# Altium PCB 移动无线控制.PcbDoc (part 2 of 4) (continued)
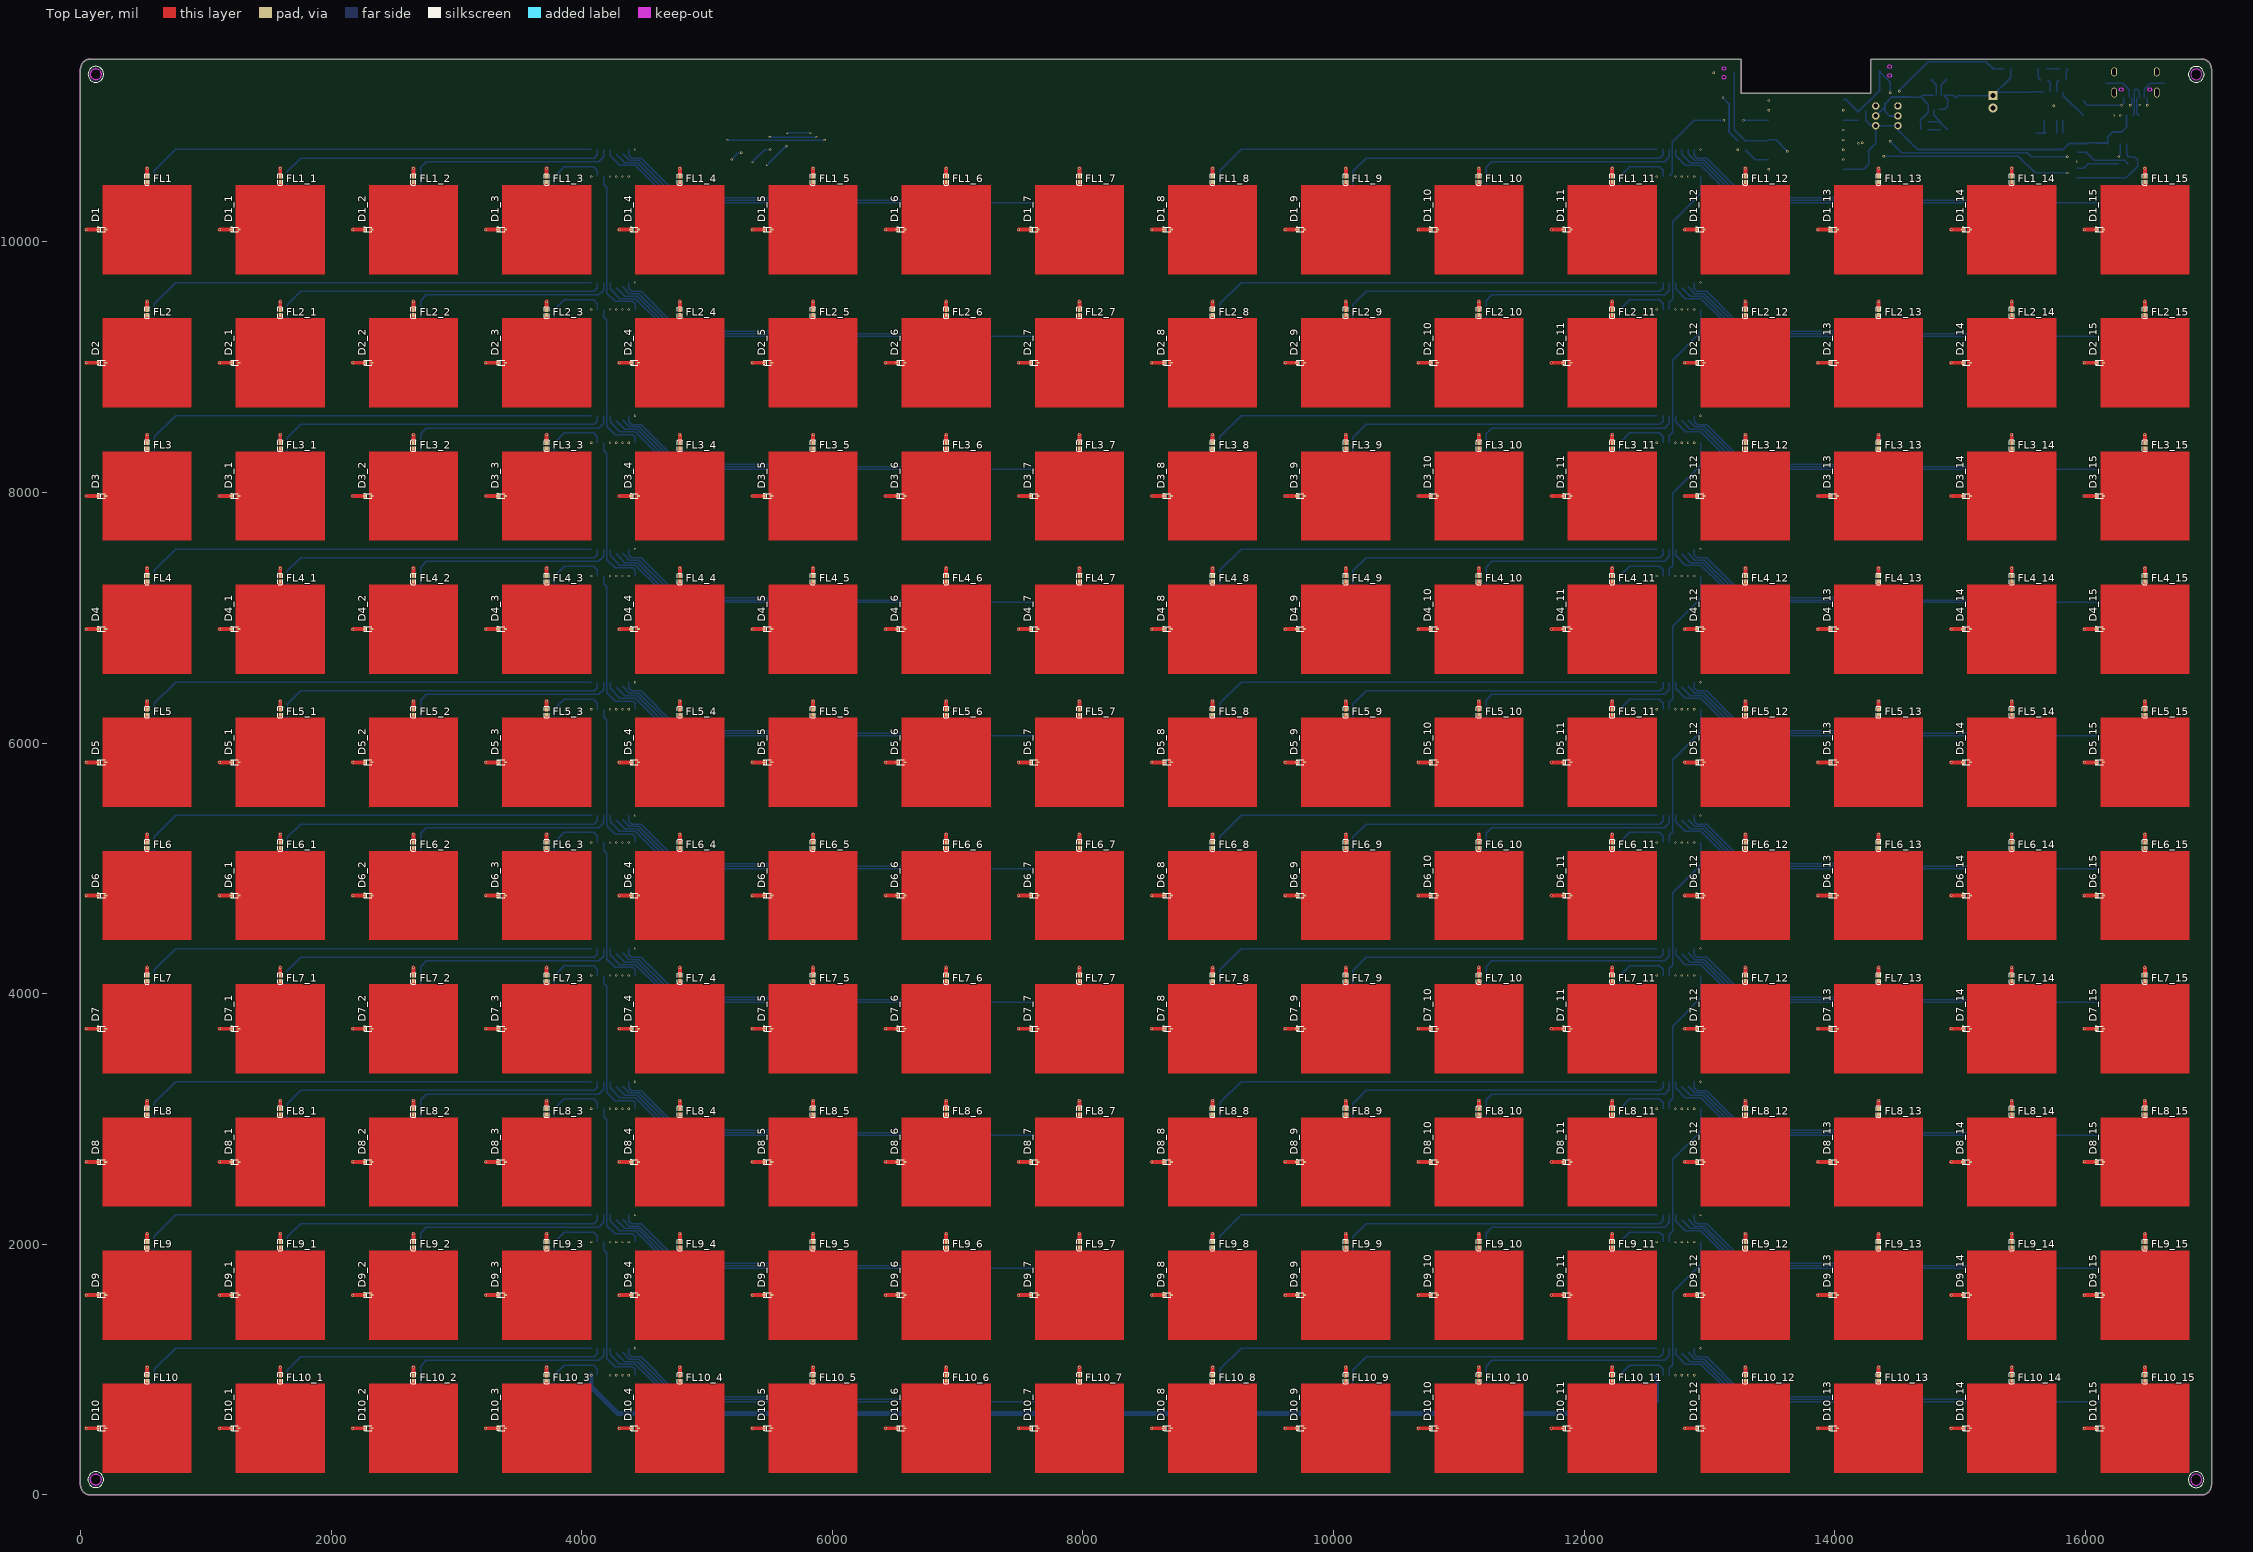
[diagram p0: Top Layer view]
## Nets (pads, with @x,y where several pads share a name; then routed paths per layer and width w, separated by ;. In a path a pad name is that pad's centre, name@x,y a point inside that pad or via, vN(x,y) a via of type N, cw(c..) or ccw(c..) an arc to the next point about the centre after c; other vN are vias at no path point) (continued)
NewNet28: D2_1.2 FL2_1.2
NewNet29: BL10_1.2 FL10_1.1
  other v1: 1594.49,1019.68
NewNet30: BL9_1.2 FL9_1.1
  other v1: 1594.49,2082.68
NewNet31: BL8_1.2 FL8_1.1
  other v1: 1594.49,3145.67
NewNet32: BL7_1.2 FL7_1.1
  other v1: 1594.49,4208.66
NewNet33: BL6_1.2 FL6_1.1
  other v1: 1594.49,5271.65
NewNet34: BL5_1.2 FL5_1.1
  other v1: 1594.49,6334.65
NewNet35: BL4_1.2 FL4_1.1
  other v1: 1594.49,7397.64
NewNet36: BL3_1.2 FL3_1.1
  other v1: 1594.49,8460.63
NewNet37: BL2_1.2 FL2_1.1
  other v1: 1594.49,9523.62
NewNet38: D1_1.2 FL1_1.2
NewNet39: BL1_1.2 FL1_1.1
  other v1: 1594.49,10586.61
NewNet40: D10_2.2 FL10_2.2
NewNet41: D9_2.2 FL9_2.2
NewNet42: D8_2.2 FL8_2.2
NewNet43: D7_2.2 FL7_2.2
NewNet44: D6_2.2 FL6_2.2
NewNet45: D5_2.2 FL5_2.2
NewNet46: D4_2.2 FL4_2.2
NewNet47: D3_2.2 FL3_2.2
NewNet48: D2_2.2 FL2_2.2
NewNet49: BL10_2.2 FL10_2.1
  other v1: 2657.48,1019.68
NewNet50: BL9_2.2 FL9_2.1
  other v1: 2657.48,2082.68
NewNet51: BL8_2.2 FL8_2.1
  other v1: 2657.48,3145.67
NewNet52: BL7_2.2 FL7_2.1
  other v1: 2657.48,4208.66
NewNet53: BL6_2.2 FL6_2.1
  other v1: 2657.48,5271.65
NewNet54: BL5_2.2 FL5_2.1
  other v1: 2657.48,6334.65
NewNet55: BL4_2.2 FL4_2.1
  other v1: 2657.48,7397.64
NewNet56: BL3_2.2 FL3_2.1
  other v1: 2657.48,8460.63
NewNet57: BL2_2.2 FL2_2.1
  other v1: 2657.48,9523.62
NewNet58: D1_2.2 FL1_2.2
NewNet59: BL1_2.2 FL1_2.1
  other v1: 2657.48,10586.61
NewNet60: D10_3.2 FL10_3.2
NewNet61: D9_3.2 FL9_3.2
NewNet62: D8_3.2 FL8_3.2
NewNet63: D7_3.2 FL7_3.2
NewNet64: D6_3.2 FL6_3.2
NewNet65: D5_3.2 FL5_3.2
NewNet66: D4_3.2 FL4_3.2
NewNet67: D3_3.2 FL3_3.2
NewNet68: D2_3.2 FL2_3.2
NewNet69: BL10_3.2 FL10_3.1
  other v1: 3720.47,1019.68
NewNet70: BL9_3.2 FL9_3.1
  other v1: 3720.47,2082.68
NewNet71: BL8_3.2 FL8_3.1
  other v1: 3720.47,3145.67
NewNet72: BL7_3.2 FL7_3.1
  other v1: 3720.47,4208.66
NewNet73: BL6_3.2 FL6_3.1
  other v1: 3720.47,5271.65
NewNet74: BL5_3.2 FL5_3.1
  other v1: 3720.47,6334.65
NewNet75: BL4_3.2 FL4_3.1
  other v1: 3720.47,7397.64
NewNet76: BL3_3.2 FL3_3.1
  other v1: 3720.47,8460.63
NewNet77: BL2_3.2 FL2_3.1
  other v1: 3720.47,9523.62
NewNet78: D1_3.2 FL1_3.2
NewNet79: BL1_3.2 FL1_3.1
  other v1: 3720.47,10586.61
NewNet80: D10_4.2 FL10_4.2
NewNet81: D9_4.2 FL9_4.2
NewNet82: D8_4.2 FL8_4.2
NewNet83: D7_4.2 FL7_4.2
NewNet84: D6_4.2 FL6_4.2
NewNet85: D5_4.2 FL5_4.2
NewNet86: D4_4.2 FL4_4.2
NewNet87: D3_4.2 FL3_4.2
NewNet88: D2_4.2 FL2_4.2
NewNet89: BL10_4.2 FL10_4.1
  other v1: 4783.46,1019.68
NewNet90: BL9_4.2 FL9_4.1
  other v1: 4783.46,2082.68
NewNet91: BL8_4.2 FL8_4.1
  other v1: 4783.46,3145.67
NewNet92: BL7_4.2 FL7_4.1
  other v1: 4783.46,4208.66
NewNet93: BL6_4.2 FL6_4.1
  other v1: 4783.46,5271.65
NewNet94: BL5_4.2 FL5_4.1
  other v1: 4783.46,6334.65
NewNet95: BL4_4.2 FL4_4.1
  other v1: 4783.46,7397.64
NewNet96: BL3_4.2 FL3_4.1
  other v1: 4783.46,8460.63
NewNet97: BL2_4.2 FL2_4.1
  other v1: 4783.46,9523.62
NewNet98: D1_4.2 FL1_4.2
NewNet99: BL1_4.2 FL1_4.1
  other v1: 4783.46,10586.61
NewNet100: D10_5.2 FL10_5.2
NewNet101: D9_5.2 FL9_5.2
NewNet102: D8_5.2 FL8_5.2
NewNet103: D7_5.2 FL7_5.2
NewNet104: D6_5.2 FL6_5.2
NewNet105: D5_5.2 FL5_5.2
NewNet106: D4_5.2 FL4_5.2
NewNet107: D3_5.2 FL3_5.2
NewNet108: D2_5.2 FL2_5.2
NewNet109: BL10_5.2 FL10_5.1
  other v1: 5846.46,1019.68
NewNet110: BL9_5.2 FL9_5.1
  other v1: 5846.46,2082.68
NewNet111: BL8_5.2 FL8_5.1
  other v1: 5846.46,3145.67
NewNet112: BL7_5.2 FL7_5.1
  other v1: 5846.46,4208.66
NewNet113: BL6_5.2 FL6_5.1
  other v1: 5846.46,5271.65
NewNet114: BL5_5.2 FL5_5.1
  other v1: 5846.46,6334.65
NewNet115: BL4_5.2 FL4_5.1
  other v1: 5846.46,7397.64
NewNet116: BL3_5.2 FL3_5.1
  other v1: 5846.46,8460.63
NewNet117: BL2_5.2 FL2_5.1
  other v1: 5846.46,9523.62
NewNet118: D1_5.2 FL1_5.2
NewNet119: BL1_5.2 FL1_5.1
  other v1: 5846.46,10586.61
NewNet120: D10_6.2 FL10_6.2
NewNet121: D9_6.2 FL9_6.2
NewNet122: D8_6.2 FL8_6.2
NewNet123: D7_6.2 FL7_6.2
NewNet124: D6_6.2 FL6_6.2
NewNet125: D5_6.2 FL5_6.2
NewNet126: D4_6.2 FL4_6.2
NewNet127: D3_6.2 FL3_6.2
NewNet128: D2_6.2 FL2_6.2
NewNet129: BL10_6.2 FL10_6.1
  other v1: 6909.45,1019.68
NewNet130: BL9_6.2 FL9_6.1
  other v1: 6909.45,2082.68
NewNet131: BL8_6.2 FL8_6.1
  other v1: 6909.45,3145.67
NewNet132: BL7_6.2 FL7_6.1
  other v1: 6909.45,4208.66
NewNet133: BL6_6.2 FL6_6.1
  other v1: 6909.45,5271.65
NewNet134: BL5_6.2 FL5_6.1
  other v1: 6909.45,6334.65
NewNet135: BL4_6.2 FL4_6.1
  other v1: 6909.45,7397.64
NewNet136: BL3_6.2 FL3_6.1
  other v1: 6909.45,8460.63
NewNet137: BL2_6.2 FL2_6.1
  other v1: 6909.45,9523.62
NewNet138: D1_6.2 FL1_6.2
NewNet139: BL1_6.2 FL1_6.1
  other v1: 6909.45,10586.61
NewNet140: D10_7.2 FL10_7.2
NewNet141: D9_7.2 FL9_7.2
NewNet142: D8_7.2 FL8_7.2
NewNet143: D7_7.2 FL7_7.2
NewNet144: D6_7.2 FL6_7.2
NewNet145: D5_7.2 FL5_7.2
NewNet146: D4_7.2 FL4_7.2
NewNet147: D3_7.2 FL3_7.2
NewNet148: D2_7.2 FL2_7.2
NewNet149: BL10_7.2 FL10_7.1
  other v1: 7972.44,1019.68
NewNet150: BL9_7.2 FL9_7.1
  other v1: 7972.44,2082.68
NewNet151: BL8_7.2 FL8_7.1
  other v1: 7972.44,3145.67
NewNet152: BL7_7.2 FL7_7.1
  other v1: 7972.44,4208.66
NewNet153: BL6_7.2 FL6_7.1
  other v1: 7972.44,5271.65
NewNet154: BL5_7.2 FL5_7.1
  other v1: 7972.44,6334.65
NewNet155: BL4_7.2 FL4_7.1
  other v1: 7972.44,7397.64
NewNet156: BL3_7.2 FL3_7.1
  other v1: 7972.44,8460.63
NewNet157: BL2_7.2 FL2_7.1
  other v1: 7972.44,9523.62
NewNet158: D1_7.2 FL1_7.2
NewNet159: BL1_7.2 FL1_7.1
  other v1: 7972.44,10586.61
NewNet160: D10_8.2 FL10_8.2
NewNet161: D9_8.2 FL9_8.2
NewNet162: D8_8.2 FL8_8.2
NewNet163: D7_8.2 FL7_8.2
NewNet164: D6_8.2 FL6_8.2
NewNet165: D5_8.2 FL5_8.2
NewNet166: D4_8.2 FL4_8.2
NewNet167: D3_8.2 FL3_8.2
NewNet168: D2_8.2 FL2_8.2
NewNet169: BL10_8.2 FL10_8.1
  other v1: 9035.43,1019.68
NewNet170: BL9_8.2 FL9_8.1
  other v1: 9035.43,2082.68
NewNet171: BL8_8.2 FL8_8.1
  other v1: 9035.43,3145.67
NewNet172: BL7_8.2 FL7_8.1
  other v1: 9035.43,4208.66
NewNet173: BL6_8.2 FL6_8.1
  other v1: 9035.43,5271.65
NewNet174: BL5_8.2 FL5_8.1
  other v1: 9035.43,6334.65
NewNet175: BL4_8.2 FL4_8.1
  other v1: 9035.43,7397.64
NewNet176: BL3_8.2 FL3_8.1
  other v1: 9035.43,8460.63
NewNet177: BL2_8.2 FL2_8.1
  other v1: 9035.43,9523.62
NewNet178: D1_8.2 FL1_8.2
NewNet179: BL1_8.2 FL1_8.1
  other v1: 9035.43,10586.61
NewNet180: D10_9.2 FL10_9.2
NewNet181: D9_9.2 FL9_9.2
NewNet182: D8_9.2 FL8_9.2
NewNet183: D7_9.2 FL7_9.2
NewNet184: D6_9.2 FL6_9.2
NewNet185: D5_9.2 FL5_9.2
NewNet186: D4_9.2 FL4_9.2
NewNet187: D3_9.2 FL3_9.2
NewNet188: D2_9.2 FL2_9.2
NewNet189: BL10_9.2 FL10_9.1
  other v1: 10098.43,1019.68
NewNet190: BL9_9.2 FL9_9.1
  other v1: 10098.43,2082.68
NewNet191: BL8_9.2 FL8_9.1
  other v1: 10098.43,3145.67
NewNet192: BL7_9.2 FL7_9.1
  other v1: 10098.43,4208.66
NewNet193: BL6_9.2 FL6_9.1
  other v1: 10098.43,5271.65
NewNet194: BL5_9.2 FL5_9.1
  other v1: 10098.43,6334.65
NewNet195: BL4_9.2 FL4_9.1
  other v1: 10098.43,7397.64
NewNet196: BL3_9.2 FL3_9.1
  other v1: 10098.43,8460.63
NewNet197: BL2_9.2 FL2_9.1
  other v1: 10098.43,9523.62
NewNet198: D1_9.2 FL1_9.2
NewNet199: BL1_9.2 FL1_9.1
  other v1: 10098.43,10586.61
NewNet200: D10_10.2 FL10_10.2
NewNet201: D9_10.2 FL9_10.2
NewNet202: D8_10.2 FL8_10.2
NewNet203: D7_10.2 FL7_10.2
NewNet204: D6_10.2 FL6_10.2
NewNet205: D5_10.2 FL5_10.2
NewNet206: D4_10.2 FL4_10.2
NewNet207: D3_10.2 FL3_10.2
NewNet208: D2_10.2 FL2_10.2
NewNet209: BL10_10.2 FL10_10.1
  other v1: 11161.42,1019.68
NewNet210: BL9_10.2 FL9_10.1
  other v1: 11161.42,2082.68
NewNet211: BL8_10.2 FL8_10.1
  other v1: 11161.42,3145.67
NewNet212: BL7_10.2 FL7_10.1
  other v1: 11161.42,4208.66
NewNet213: BL6_10.2 FL6_10.1
  other v1: 11161.42,5271.65
NewNet214: BL5_10.2 FL5_10.1
  other v1: 11161.42,6334.65
NewNet215: BL4_10.2 FL4_10.1
  other v1: 11161.42,7397.64
NewNet216: BL3_10.2 FL3_10.1
  other v1: 11161.42,8460.63
NewNet217: BL2_10.2 FL2_10.1
  other v1: 11161.42,9523.62
NewNet218: D1_10.2 FL1_10.2
NewNet219: BL1_10.2 FL1_10.1
  other v1: 11161.42,10586.61
NewNet220: D10_11.2 FL10_11.2
NewNet221: D9_11.2 FL9_11.2
NewNet222: D8_11.2 FL8_11.2
NewNet223: D7_11.2 FL7_11.2
NewNet224: D6_11.2 FL6_11.2
NewNet225: D5_11.2 FL5_11.2
NewNet226: D4_11.2 FL4_11.2
NewNet227: D3_11.2 FL3_11.2
NewNet228: D2_11.2 FL2_11.2
NewNet229: BL10_11.2 FL10_11.1
  other v1: 12224.41,1019.68
NewNet230: BL9_11.2 FL9_11.1
  other v1: 12224.41,2082.68
NewNet231: BL8_11.2 FL8_11.1
  other v1: 12224.41,3145.67
NewNet232: BL7_11.2 FL7_11.1
  other v1: 12224.41,4208.66
NewNet233: BL6_11.2 FL6_11.1
  other v1: 12224.41,5271.65
NewNet234: BL5_11.2 FL5_11.1
  other v1: 12224.41,6334.65
NewNet235: BL4_11.2 FL4_11.1
  other v1: 12224.41,7397.64
NewNet236: BL3_11.2 FL3_11.1
  other v1: 12224.41,8460.63
NewNet237: BL2_11.2 FL2_11.1
  other v1: 12224.41,9523.62
NewNet238: BL1_11.2 FL1_11.1
  other v1: 12224.41,10586.61
NewNet239: D10_12.2 FL10_12.2
NewNet240: D9_12.2 FL9_12.2
NewNet241: D8_12.2 FL8_12.2
NewNet242: D7_12.2 FL7_12.2
NewNet243: D6_12.2 FL6_12.2
NewNet244: D5_12.2 FL5_12.2
NewNet245: D4_12.2 FL4_12.2
NewNet246: D3_12.2 FL3_12.2
NewNet247: D2_12.2 FL2_12.2
NewNet248: BL10_12.2 FL10_12.1
  other v1: 13287.4,1019.68
NewNet249: BL9_12.2 FL9_12.1
  other v1: 13287.4,2082.68
NewNet250: BL8_12.2 FL8_12.1
  other v1: 13287.4,3145.67
NewNet251: BL7_12.2 FL7_12.1
  other v1: 13287.4,4208.66
NewNet252: BL6_12.2 FL6_12.1
  other v1: 13287.4,5271.65
NewNet253: BL5_12.2 FL5_12.1
  other v1: 13287.4,6334.65
NewNet254: BL4_12.2 FL4_12.1
  other v1: 13287.4,7397.64
NewNet255: BL3_12.2 FL3_12.1
  other v1: 13287.4,8460.63
NewNet256: BL2_12.2 FL2_12.1
  other v1: 13287.4,9523.62
NewNet257: D1_12.2 FL1_12.2
NewNet258: BL1_12.2 FL1_12.1
  other v1: 13287.4,10586.61
NewNet259: D10_13.2 FL10_13.2
NewNet260: D9_13.2 FL9_13.2
NewNet261: D8_13.2 FL8_13.2
NewNet262: D7_13.2 FL7_13.2
NewNet263: D6_13.2 FL6_13.2
NewNet264: D5_13.2 FL5_13.2
NewNet265: D4_13.2 FL4_13.2
NewNet266: D3_13.2 FL3_13.2
NewNet267: D2_13.2 FL2_13.2
NewNet268: BL10_13.2 FL10_13.1
  other v1: 14350.39,1019.68
NewNet269: BL9_13.2 FL9_13.1
  other v1: 14350.39,2082.68
NewNet270: BL8_13.2 FL8_13.1
  other v1: 14350.39,3145.67
NewNet271: BL7_13.2 FL7_13.1
  other v1: 14350.39,4208.66
NewNet272: BL6_13.2 FL6_13.1
  other v1: 14350.39,5271.65
NewNet273: BL5_13.2 FL5_13.1
  other v1: 14350.39,6334.65
NewNet274: BL4_13.2 FL4_13.1
  other v1: 14350.39,7397.64
NewNet275: BL3_13.2 FL3_13.1
  other v1: 14350.39,8460.63
NewNet276: BL2_13.2 FL2_13.1
  other v1: 14350.39,9523.62
NewNet277: D1_13.2 FL1_13.2
NewNet278: BL1_13.2 FL1_13.1
  other v1: 14350.39,10586.61
NewNet279: D10_14.2 FL10_14.2
NewNet280: D9_14.2 FL9_14.2
NewNet281: D8_14.2 FL8_14.2
NewNet282: D7_14.2 FL7_14.2
NewNet283: D6_14.2 FL6_14.2
NewNet284: D5_14.2 FL5_14.2
NewNet285: D4_14.2 FL4_14.2
NewNet286: D3_14.2 FL3_14.2
NewNet287: D2_14.2 FL2_14.2
NewNet288: BL10_14.2 FL10_14.1
  other v1: 15413.39,1019.68
NewNet289: BL9_14.2 FL9_14.1
  other v1: 15413.39,2082.68
NewNet290: BL8_14.2 FL8_14.1
  other v1: 15413.39,3145.67
NewNet291: BL7_14.2 FL7_14.1
  other v1: 15413.39,4208.66
NewNet292: BL6_14.2 FL6_14.1
  other v1: 15413.39,5271.65
NewNet293: BL5_14.2 FL5_14.1
  other v1: 15413.39,6334.65
NewNet294: BL4_14.2 FL4_14.1
  other v1: 15413.39,7397.64
NewNet295: BL3_14.2 FL3_14.1
  other v1: 15413.39,8460.63
NewNet296: BL2_14.2 FL2_14.1
  other v1: 15413.39,9523.62
NewNet297: D1_14.2 FL1_14.2
NewNet298: BL1_14.2 FL1_14.1
  other v1: 15413.39,10586.61
NewNet299: D10_15.2 FL10_15.2
NewNet300: D9_15.2 FL9_15.2
NewNet301: D8_15.2 FL8_15.2
NewNet302: D7_15.2 FL7_15.2
NewNet303: D6_15.2 FL6_15.2
NewNet304: D5_15.2 FL5_15.2
NewNet305: D4_15.2 FL4_15.2
NewNet306: D3_15.2 FL3_15.2
NewNet307: D2_15.2 FL2_15.2
NewNet308: BL10_15.2 FL10_15.1
  other v1: 16476.38,1019.68
NewNet309: BL9_15.2 FL9_15.1
  other v1: 16476.38,2082.68
NewNet310: BL8_15.2 FL8_15.1
  other v1: 16476.38,3145.67
NewNet311: BL7_15.2 FL7_15.1
  other v1: 16476.38,4208.66
NewNet312: BL6_15.2 FL6_15.1
  other v1: 16476.38,5271.65
NewNet313: BL5_15.2 FL5_15.1
  other v1: 16476.38,6334.65
NewNet314: BL4_15.2 FL4_15.1
  other v1: 16476.38,7397.64
NewNet315: BL3_15.2 FL3_15.1
  other v1: 16476.38,8460.63
NewNet316: BL2_15.2 FL2_15.1
  other v1: 16476.38,9523.62
NewNet317: D1_15.2 FL1_15.2
NewNet318: BL1_15.2 FL1_15.1
  other v1: 16476.38,10586.61
NewNet319: BL1.2 FL1.1
  other v1: 531.5,10586.61
NewNet320: BL1.1 BR_8_1.1 | length 70.7
  Bottom Layer w10: BR_8_1.1@531,10407.82 BL1.1@530.98,10478.54
NewNet321: BL2.1 BR_8_3.1 | length 70.7
  Bottom Layer w10: BR_8_3.1@531,9344.83 BL2.1@531,9415.55
NewNet322: BL3.1 BR_8_5.1 | length 70.7
  Bottom Layer w10: BR_8_5.1@531,8281.84 BL3.1@531,8352.56
NewNet323: BL4.1 BR_8_7.1 | length 70.7
  Bottom Layer w10: BR_8_7.1@531,7218.85 BL4.1@531,7289.56
NewNet324: BL5.1 BR_8_9.1 | length 70.7
  Bottom Layer w10: BR_8_9.1@531,6155.85 BL5.1@531,6226.57
NewNet325: BL6.1 BR_8_11.1 | length 70.7
  Bottom Layer w10: BR_8_11.1@531,5092.86 BL6.1@531,5163.58
NewNet326: BL7.1 BR_8_13.1 | length 70.7
  Bottom Layer w10: BR_8_13.1@531,4029.87 BL7.1@531,4100.59
NewNet327: BL8.1 BR_8_15.1 | length 70.7
  Bottom Layer w10: BR_8_15.1@531,2966.88 BL8.1@531,3037.6
NewNet328: BL9.1 BR_8_17.1 | length 70.7
  Bottom Layer w10: BR_8_17.1@531,1903.88 BL9.1@531,1974.6
NewNet329: BL10.1 BR_8_19.1 | length 70.7
  Bottom Layer w10: BR_8_19.1@531,840.89 BL10.1@531,911.61
NewNet330: BL10_1.1 BR_7_19.1 | length 70.7
  Bottom Layer w10: BR_7_19.1@1593.99,840.89 BL10_1.1@1593.99,911.61
NewNet331: BL9_1.1 BR_7_17.1 | length 70.7
  Bottom Layer w10: BR_7_17.1@1593.99,1903.88 BL9_1.1@1593.99,1974.6
NewNet332: BL8_1.1 BR_7_15.1 | length 70.7
  Bottom Layer w10: BR_7_15.1@1593.99,2966.88 BL8_1.1@1593.99,3037.6
NewNet333: BL7_1.1 BR_7_13.1 | length 70.7
  Bottom Layer w10: BR_7_13.1@1593.99,4029.87 BL7_1.1@1593.99,4100.59
NewNet334: BL6_1.1 BR_7_11.1 | length 70.7
  Bottom Layer w10: BR_7_11.1@1593.99,5092.86 BL6_1.1@1593.99,5163.58
NewNet335: BL5_1.1 BR_7_9.1 | length 70.7
  Bottom Layer w10: BR_7_9.1@1593.99,6155.85 BL5_1.1@1593.99,6226.57
NewNet336: BL4_1.1 BR_7_7.1 | length 70.7
  Bottom Layer w10: BR_7_7.1@1593.99,7218.85 BL4_1.1@1593.99,7289.56
NewNet337: BL3_1.1 BR_7_5.1 | length 70.7
  Bottom Layer w10: BR_7_5.1@1593.99,8281.84 BL3_1.1@1593.99,8352.56
NewNet338: BL2_1.1 BR_7_3.1 | length 70.7
  Bottom Layer w10: BR_7_3.1@1593.99,9344.83 BL2_1.1@1593.99,9415.55
NewNet339: BL1_1.1 BR_7_1.1 | length 70.7
  Bottom Layer w10: BR_7_1.1@1593.99,10407.82 BL1_1.1@1593.99,10478.54
NewNet340: BL10_2.1 BR_6_19.1 | length 70.7
  Bottom Layer w10: BR_6_19.1@2656.98,840.89 BL10_2.1@2656.98,911.61
NewNet341: BL9_2.1 BR_6_17.1 | length 70.7
  Bottom Layer w10: BR_6_17.1@2656.98,1903.88 BL9_2.1@2656.98,1974.6
NewNet342: BL8_2.1 BR_6_15.1 | length 70.7
  Bottom Layer w10: BR_6_15.1@2656.98,2966.88 BL8_2.1@2656.98,3037.6
NewNet343: BL7_2.1 BR_6_13.1 | length 70.7
  Bottom Layer w10: BR_6_13.1@2656.98,4029.87 BL7_2.1@2656.98,4100.59
NewNet344: BL6_2.1 BR_6_11.1 | length 70.7
  Bottom Layer w10: BR_6_11.1@2656.98,5092.86 BL6_2.1@2656.98,5163.58
NewNet345: BL5_2.1 BR_6_9.1 | length 70.7
  Bottom Layer w10: BR_6_9.1@2656.98,6155.85 BL5_2.1@2656.98,6226.57
NewNet346: BL4_2.1 BR_6_7.1 | length 70.7
  Bottom Layer w10: BR_6_7.1@2656.98,7218.85 BL4_2.1@2656.98,7289.56
NewNet347: BL3_2.1 BR_6_5.1 | length 70.7
  Bottom Layer w10: BR_6_5.1@2656.98,8281.84 BL3_2.1@2656.98,8352.56
NewNet348: BL2_2.1 BR_6_3.1 | length 70.7
  Bottom Layer w10: BR_6_3.1@2656.98,9344.83 BL2_2.1@2656.98,9415.55
NewNet349: BL1_2.1 BR_6_1.1 | length 70.7
  Bottom Layer w10: BR_6_1.1@2656.98,10407.82 BL1_2.1@2656.98,10478.54
NewNet350: BL10_3.1 BR_5_19.1 | length 70.7
  Bottom Layer w10: BR_5_19.1@3719.98,840.89 BL10_3.1@3719.98,911.61
NewNet351: BL9_3.1 BR_5_17.1 | length 70.7
  Bottom Layer w10: BR_5_17.1@3719.98,1903.88 BL9_3.1@3719.98,1974.6
NewNet352: BL8_3.1 BR_5_15.1 | length 70.7
  Bottom Layer w10: BR_5_15.1@3719.98,2966.88 BL8_3.1@3719.98,3037.6
NewNet353: BL7_3.1 BR_5_13.1 | length 70.7
  Bottom Layer w10: BR_5_13.1@3719.98,4029.87 BL7_3.1@3719.98,4100.59
NewNet354: BL6_3.1 BR_5_11.1 | length 70.7
  Bottom Layer w10: BR_5_11.1@3719.98,5092.86 BL6_3.1@3719.98,5163.58
NewNet355: BL5_3.1 BR_5_9.1 | length 70.7
  Bottom Layer w10: BR_5_9.1@3719.98,6155.85 BL5_3.1@3719.98,6226.57
NewNet356: BL4_3.1 BR_5_7.1 | length 70.7
  Bottom Layer w10: BR_5_7.1@3719.98,7218.85 BL4_3.1@3719.98,7289.56
NewNet357: BL3_3.1 BR_5_5.1 | length 70.7
  Bottom Layer w10: BR_5_5.1@3719.98,8281.84 BL3_3.1@3719.98,8352.56
NewNet358: BL2_3.1 BR_5_3.1 | length 70.7
  Bottom Layer w10: BR_5_3.1@3719.98,9344.83 BL2_3.1@3719.98,9415.55
NewNet359: BL1_3.1 BR_5_1.1 | length 70.7
  Bottom Layer w10: BR_5_1.1@3719.98,10407.82 BL1_3.1@3719.98,10478.54
NewNet360: BL10_4.1 BR_4_19.1 | length 70.7
  Bottom Layer w10: BR_4_19.1@4782.97,840.89 BL10_4.1@4782.97,911.61
NewNet361: BL9_4.1 BR_4_17.1 | length 70.7
  Bottom Layer w10: BR_4_17.1@4782.97,1903.88 BL9_4.1@4782.97,1974.6
NewNet362: BL8_4.1 BR_4_15.1 | length 70.7
  Bottom Layer w10: BR_4_15.1@4782.97,2966.88 BL8_4.1@4782.97,3037.6
NewNet363: BL7_4.1 BR_4_13.1 | length 70.7
  Bottom Layer w10: BR_4_13.1@4782.97,4029.87 BL7_4.1@4782.97,4100.59
NewNet364: BL6_4.1 BR_4_11.1 | length 70.7
  Bottom Layer w10: BR_4_11.1@4782.97,5092.86 BL6_4.1@4782.97,5163.58
NewNet365: BL5_4.1 BR_4_9.1 | length 70.7
  Bottom Layer w10: BR_4_9.1@4782.97,6155.85 BL5_4.1@4782.97,6226.57
NewNet366: BL4_4.1 BR_4_7.1 | length 70.7
  Bottom Layer w10: BR_4_7.1@4782.97,7218.85 BL4_4.1@4782.97,7289.56
NewNet367: BL3_4.1 BR_4_5.1 | length 70.7
  Bottom Layer w10: BR_4_5.1@4782.97,8281.84 BL3_4.1@4782.97,8352.56
NewNet368: BL2_4.1 BR_4_3.1 | length 70.7
  Bottom Layer w10: BR_4_3.1@4782.97,9344.83 BL2_4.1@4782.97,9415.55
NewNet369: BL1_4.1 BR_4_1.1 | length 70.7
  Bottom Layer w10: BR_4_1.1@4782.97,10407.82 BL1_4.1@4782.97,10478.54
NewNet370: BL10_5.1 BR_3_19.1 | length 70.7
  Bottom Layer w10: BR_3_19.1@5845.96,840.89 BL10_5.1@5845.96,911.61
NewNet371: BL9_5.1 BR_3_17.1 | length 70.7
  Bottom Layer w10: BR_3_17.1@5845.96,1903.88 BL9_5.1@5845.96,1974.6
NewNet372: BL8_5.1 BR_3_15.1 | length 70.7
  Bottom Layer w10: BR_3_15.1@5845.96,2966.88 BL8_5.1@5845.96,3037.6
NewNet373: BL7_5.1 BR_3_13.1 | length 70.7
  Bottom Layer w10: BR_3_13.1@5845.96,4029.87 BL7_5.1@5845.96,4100.59
NewNet374: BL6_5.1 BR_3_11.1 | length 70.7
  Bottom Layer w10: BR_3_11.1@5845.96,5092.86 BL6_5.1@5845.96,5163.58
NewNet375: BL5_5.1 BR_3_9.1 | length 70.7
  Bottom Layer w10: BR_3_9.1@5845.96,6155.85 BL5_5.1@5845.96,6226.57
NewNet376: BL4_5.1 BR_3_7.1 | length 70.7
  Bottom Layer w10: BR_3_7.1@5845.96,7218.85 BL4_5.1@5845.96,7289.56
NewNet377: BL3_5.1 BR_3_5.1 | length 70.7
  Bottom Layer w10: BR_3_5.1@5845.96,8281.84 BL3_5.1@5845.96,8352.56
NewNet378: BL2_5.1 BR_3_3.1 | length 70.7
  Bottom Layer w10: BR_3_3.1@5845.96,9344.83 BL2_5.1@5845.96,9415.55
NewNet379: BL1_5.1 BR_3_1.1 | length 70.7
  Bottom Layer w10: BR_3_1.1@5845.96,10407.82 BL1_5.1@5845.96,10478.54
NewNet380: BL10_6.1 BR_2_19.1 | length 70.7
  Bottom Layer w10: BR_2_19.1@6908.95,840.89 BL10_6.1@6908.95,911.61
NewNet381: BL9_6.1 BR_2_17.1 | length 70.7
  Bottom Layer w10: BR_2_17.1@6908.95,1903.88 BL9_6.1@6908.95,1974.6
NewNet382: BL8_6.1 BR_2_15.1 | length 70.7
  Bottom Layer w10: BR_2_15.1@6908.95,2966.88 BL8_6.1@6908.95,3037.6
NewNet383: BL7_6.1 BR_2_13.1 | length 70.7
  Bottom Layer w10: BR_2_13.1@6908.95,4029.87 BL7_6.1@6908.95,4100.59
NewNet384: BL6_6.1 BR_2_11.1 | length 70.7
  Bottom Layer w10: BR_2_11.1@6908.95,5092.86 BL6_6.1@6908.95,5163.58
NewNet385: BL5_6.1 BR_2_9.1 | length 70.7
  Bottom Layer w10: BR_2_9.1@6908.95,6155.85 BL5_6.1@6908.95,6226.57
NewNet386: BL4_6.1 BR_2_7.1 | length 70.7
  Bottom Layer w10: BR_2_7.1@6908.95,7218.85 BL4_6.1@6908.95,7289.56
NewNet387: BL3_6.1 BR_2_5.1 | length 70.7
  Bottom Layer w10: BR_2_5.1@6908.95,8281.84 BL3_6.1@6908.95,8352.56
NewNet388: BL2_6.1 BR_2_3.1 | length 70.7
  Bottom Layer w10: BR_2_3.1@6908.95,9344.83 BL2_6.1@6908.95,9415.55
NewNet389: BL1_6.1 BR_2_1.1 | length 70.7
  Bottom Layer w10: BR_2_1.1@6908.95,10407.82 BL1_6.1@6908.95,10478.54
NewNet390: BL10_7.1 BR_1_19.1 | length 70.7
  Bottom Layer w10: BR_1_19.1@7971.94,840.89 BL10_7.1@7971.94,911.61
NewNet391: BL9_7.1 BR_1_17.1 | length 70.7
  Bottom Layer w10: BR_1_17.1@7971.94,1903.88 BL9_7.1@7971.94,1974.6
NewNet392: BL8_7.1 BR_1_15.1 | length 70.7
  Bottom Layer w10: BR_1_15.1@7971.94,2966.88 BL8_7.1@7971.94,3037.6
NewNet393: BL7_7.1 BR_1_13.1 | length 70.7
  Bottom Layer w10: BR_1_13.1@7971.94,4029.87 BL7_7.1@7971.94,4100.59
NewNet394: BL6_7.1 BR_1_11.1 | length 70.7
  Bottom Layer w10: BR_1_11.1@7971.94,5092.86 BL6_7.1@7971.94,5163.58
NewNet395: BL5_7.1 BR_1_9.1 | length 70.7
  Bottom Layer w10: BR_1_9.1@7971.94,6155.85 BL5_7.1@7971.94,6226.57
NewNet396: BL4_7.1 BR_1_7.1 | length 70.7
  Bottom Layer w10: BR_1_7.1@7971.94,7218.85 BL4_7.1@7971.94,7289.56
NewNet397: BL3_7.1 BR_1_5.1 | length 70.7
  Bottom Layer w10: BR_1_5.1@7971.94,8281.84 BL3_7.1@7971.94,8352.56
NewNet398: BL2_7.1 BR_1_3.1 | length 70.7
  Bottom Layer w10: BR_1_3.1@7971.94,9344.83 BL2_7.1@7971.94,9415.55
NewNet399: BL1_7.1 BR_1_1.1 | length 70.7
  Bottom Layer w10: BR_1_1.1@7971.94,10407.82 BL1_7.1@7971.94,10478.54
NewNet400: BL10_8.1 BR_8_18.1 | length 70.7
  Bottom Layer w10: BR_8_18.1@9034.94,840.89 BL10_8.1@9034.94,911.61
NewNet401: BL9_8.1 BR_8_16.1 | length 70.7
  Bottom Layer w10: BR_8_16.1@9034.94,1903.88 BL9_8.1@9034.94,1974.6
NewNet402: BL8_8.1 BR_8_14.1 | length 70.7
  Bottom Layer w10: BR_8_14.1@9034.94,2966.88 BL8_8.1@9034.94,3037.6
NewNet403: BL7_8.1 BR_8_12.1 | length 70.7
  Bottom Layer w10: BR_8_12.1@9034.94,4029.87 BL7_8.1@9034.94,4100.59
NewNet404: BL6_8.1 BR_8_10.1 | length 70.7
  Bottom Layer w10: BR_8_10.1@9034.94,5092.86 BL6_8.1@9034.94,5163.58
NewNet405: BL5_8.1 BR_8_8.1 | length 70.7
  Bottom Layer w10: BR_8_8.1@9034.94,6155.85 BL5_8.1@9034.94,6226.57
NewNet406: BL4_8.1 BR_8_6.1 | length 70.7
  Bottom Layer w10: BR_8_6.1@9034.94,7218.85 BL4_8.1@9034.94,7289.56
NewNet407: BL3_8.1 BR_8_4.1 | length 70.7
  Bottom Layer w10: BR_8_4.1@9034.94,8281.84 BL3_8.1@9034.94,8352.56
NewNet408: BL2_8.1 BR_8_2.1 | length 70.7
  Bottom Layer w10: BR_8_2.1@9034.94,9344.83 BL2_8.1@9034.94,9415.55
NewNet409: BL1_8.1 BR_8.1 | length 70.7
  Bottom Layer w10: BR_8.1@9034.94,10407.82 BL1_8.1@9034.94,10478.54
NewNet410: BL10_9.1 BR_7_18.1 | length 70.7
  Bottom Layer w10: BR_7_18.1@10097.93,840.89 BL10_9.1@10097.93,911.61
NewNet411: BL9_9.1 BR_7_16.1 | length 70.7
  Bottom Layer w10: BR_7_16.1@10097.93,1903.88 BL9_9.1@10097.93,1974.6
NewNet412: BL8_9.1 BR_7_14.1 | length 70.7
  Bottom Layer w10: BR_7_14.1@10097.93,2966.88 BL8_9.1@10097.93,3037.6
NewNet413: BL7_9.1 BR_7_12.1 | length 70.7
  Bottom Layer w10: BR_7_12.1@10097.93,4029.87 BL7_9.1@10097.93,4100.59
NewNet414: BL6_9.1 BR_7_10.1 | length 70.7
  Bottom Layer w10: BR_7_10.1@10097.93,5092.86 BL6_9.1@10097.93,5163.58
NewNet415: BL5_9.1 BR_7_8.1 | length 70.7
  Bottom Layer w10: BR_7_8.1@10097.93,6155.85 BL5_9.1@10097.93,6226.57
NewNet416: BL4_9.1 BR_7_6.1 | length 70.7
  Bottom Layer w10: BR_7_6.1@10097.93,7218.85 BL4_9.1@10097.93,7289.56
NewNet417: BL3_9.1 BR_7_4.1 | length 70.7
  Bottom Layer w10: BR_7_4.1@10097.93,8281.84 BL3_9.1@10097.93,8352.56
NewNet418: BL2_9.1 BR_7_2.1 | length 70.7
  Bottom Layer w10: BR_7_2.1@10097.93,9344.83 BL2_9.1@10097.93,9415.55
NewNet419: BL1_9.1 BR_7.1 | length 70.7
  Bottom Layer w10: BR_7.1@10097.93,10407.82 BL1_9.1@10097.93,10478.54
NewNet420: BL10_10.1 BR_6_18.1 | length 70.7
  Bottom Layer w10: BR_6_18.1@11160.92,840.89 BL10_10.1@11160.92,911.61
NewNet421: BL9_10.1 BR_6_16.1 | length 70.7
  Bottom Layer w10: BR_6_16.1@11160.92,1903.88 BL9_10.1@11160.92,1974.6
NewNet422: BL8_10.1 BR_6_14.1 | length 70.7
  Bottom Layer w10: BR_6_14.1@11160.92,2966.88 BL8_10.1@11160.92,3037.6
NewNet423: BL7_10.1 BR_6_12.1 | length 70.7
  Bottom Layer w10: BR_6_12.1@11160.92,4029.87 BL7_10.1@11160.92,4100.59
NewNet424: BL6_10.1 BR_6_10.1 | length 70.7
  Bottom Layer w10: BR_6_10.1@11160.92,5092.86 BL6_10.1@11160.92,5163.58
NewNet425: BL5_10.1 BR_6_8.1 | length 70.7
  Bottom Layer w10: BR_6_8.1@11160.92,6155.85 BL5_10.1@11160.92,6226.57
NewNet426: BL4_10.1 BR_6_6.1 | length 70.7
  Bottom Layer w10: BR_6_6.1@11160.92,7218.85 BL4_10.1@11160.92,7289.56